# Allegro board buddy_lay_rev1.brd (continued)
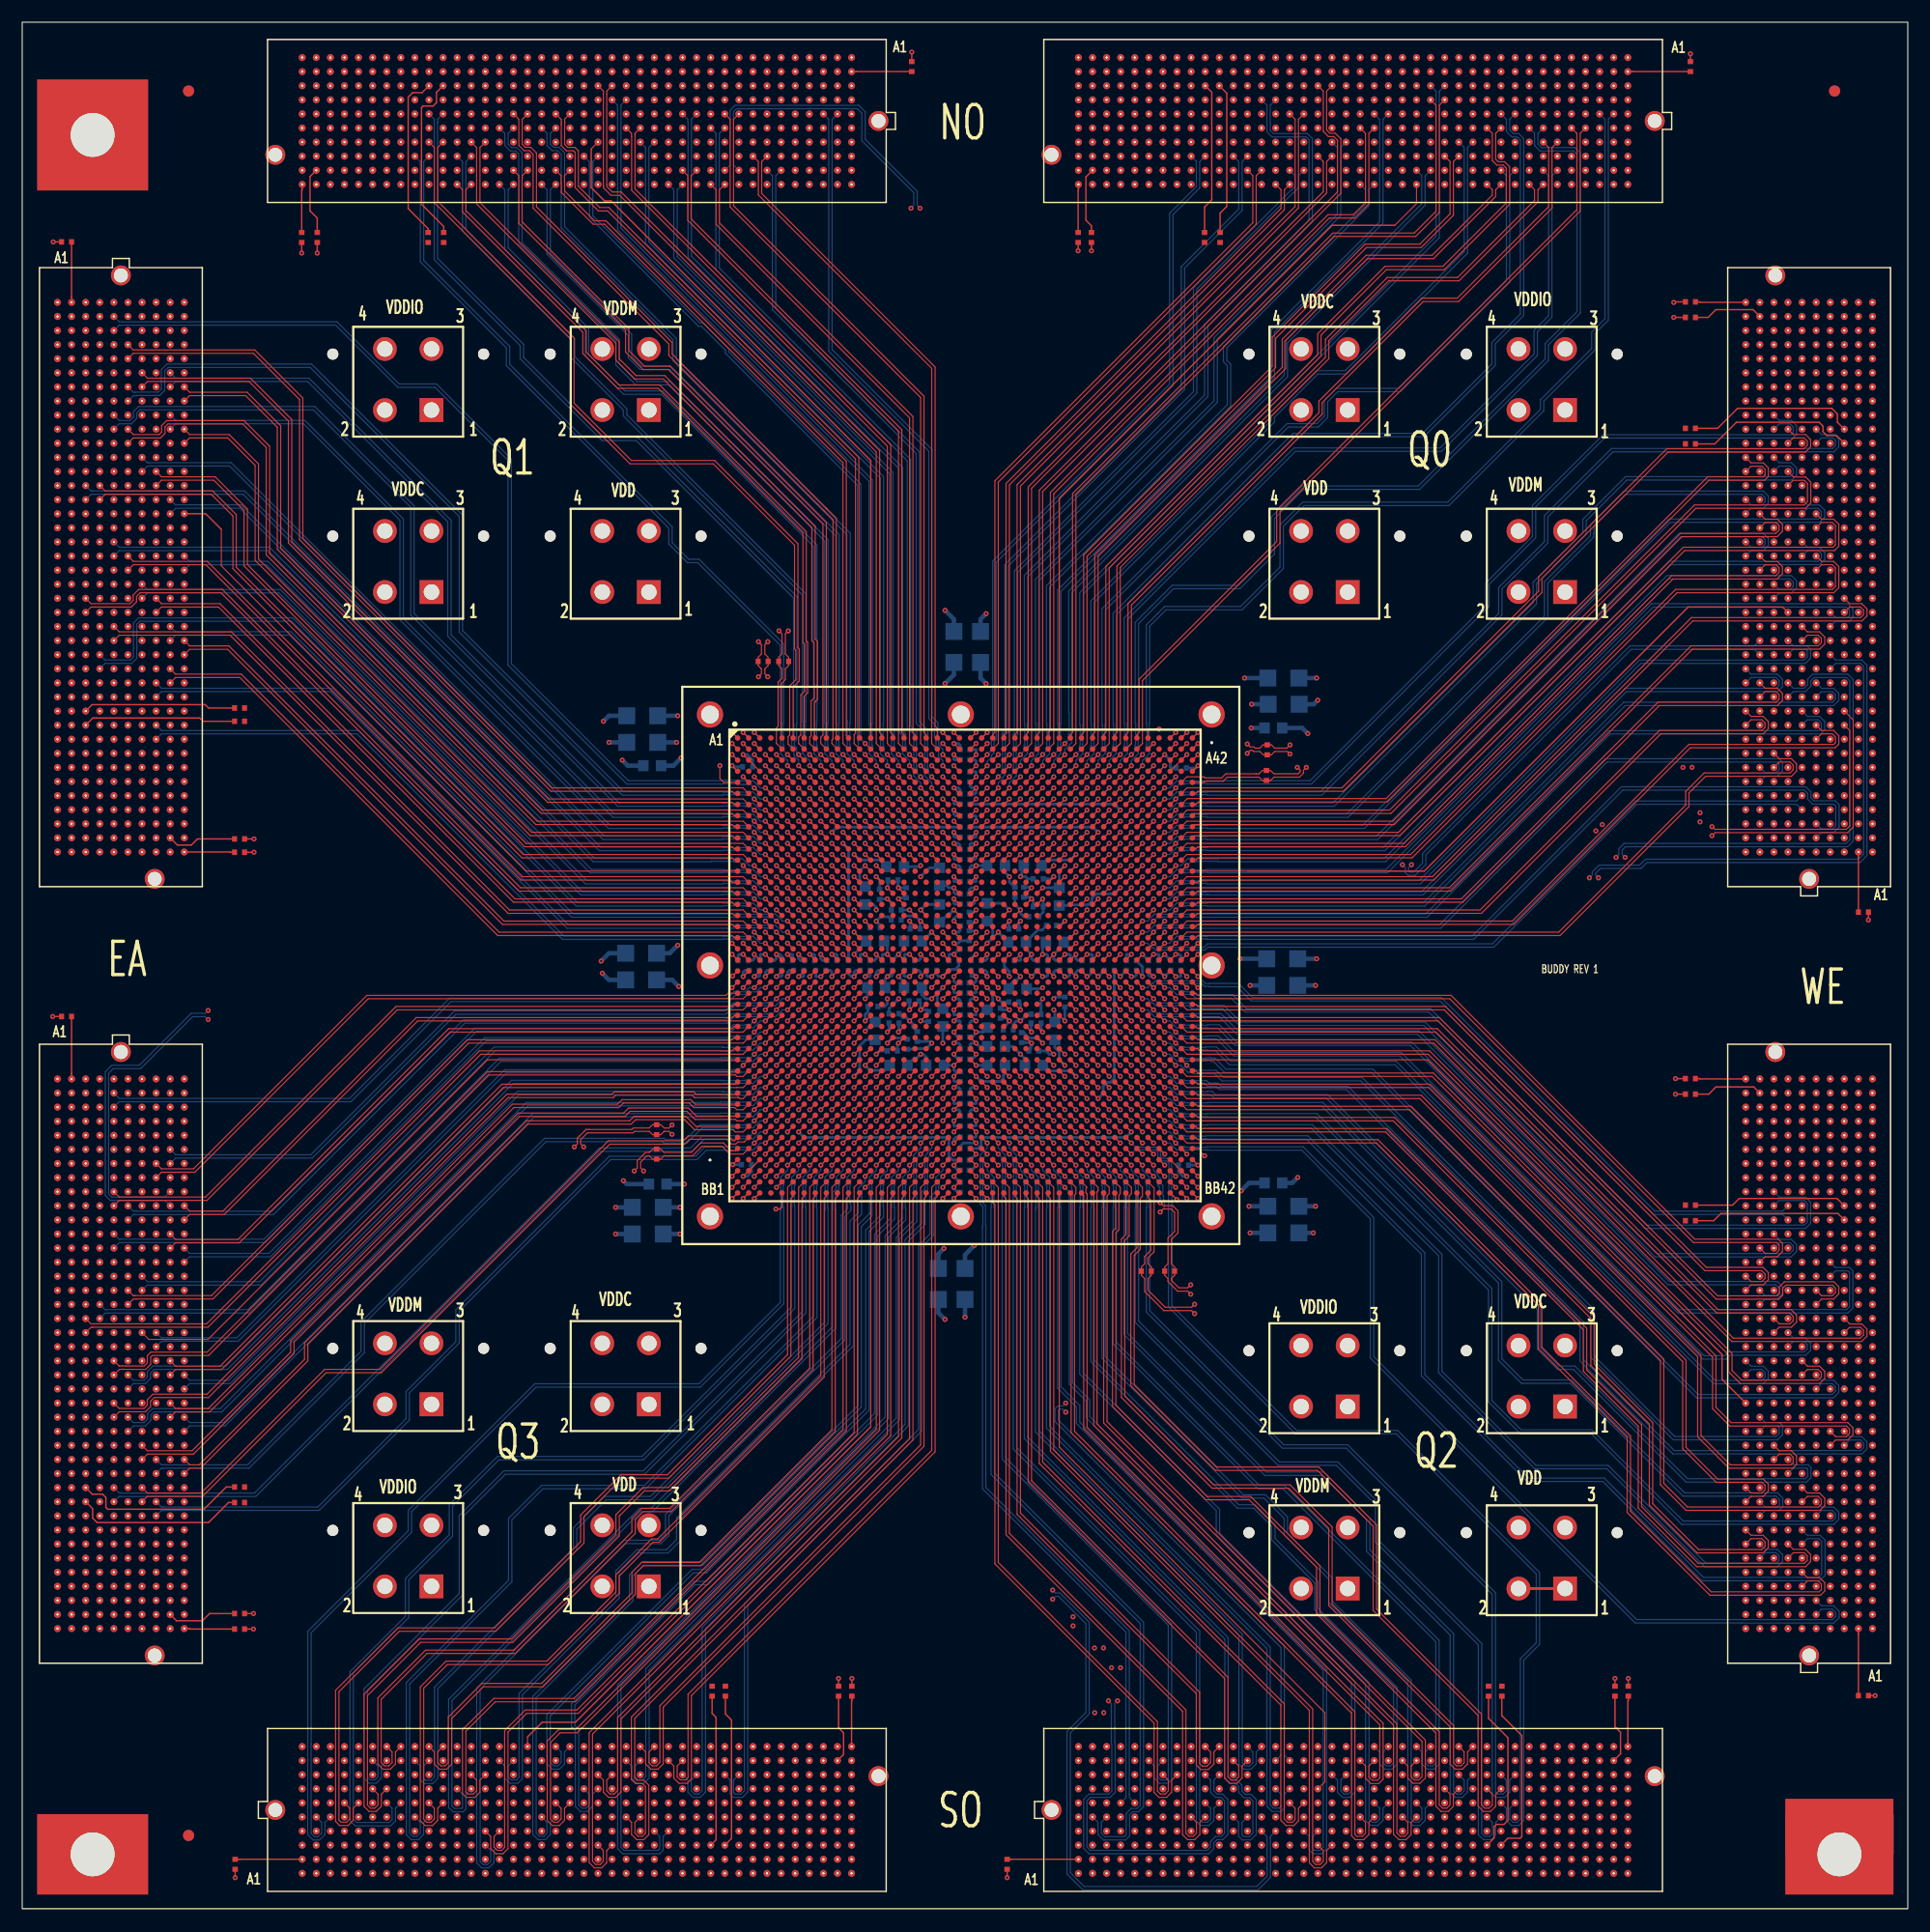
[diagram p0: board, top side]
## Routing (per net, layer and track width the routed paths; a pad name or vN(x,y) marks a point on that pad's centre or on a via; arc(x,y) is an arc through that point) (continued)
; 106.66,3.98 J5.B10 ; J5.B10 107.13,4.46 ; J5.B10 106.18,4.46 ; J5.B10 106.66,4.93 ; J8.K27 14.62,112.21 ; J8.K27 14.14,111.74 ; J8.K27 14.62,111.26 ; J8.K27 15.09,111.74 ; 29.85,3.19 30.32,3.19 ; 30.32,3.19 30.32,2.71 ; 30.32,3.19 30.32,3.66 ; 30.32,3.19 30.8,3.19 ; 59.06,164.28 J1.C13 ; J1.C13 60.01,164.28 ; J1.C13 59.53,164.75 ; J1.C13 59.53,163.8 ; J4.K39 155.86,73.5 ; J4.K39 155.38,73.98 ; J4.K39 155.38,73.03 ; J4.K39 154.91,73.5 ; 4.46,47.63 J7.B22 ; J7.B22 3.98,48.1 ; J7.B22 4.93,48.1 ; J7.B22 4.46,48.58 ; J5.D7 102.85,7.47 ; J5.D7 103.32,7 ; J5.D7 102.37,7 ; J5.D7 102.85,6.52 ; J3.A33 167.29,135.87 ; J3.A33 166.81,136.34 ; J3.A33 166.34,135.87 ; J3.A33 166.81,135.39 ; J6.G20 49.37,11.28 ; J6.G20 48.9,10.8 ; J6.G20 49.85,10.8 ; J6.G20 49.37,10.33 ; 123.96,166.81 J2.A17 ; J2.A17 124.44,166.34 ; J2.A17 124.91,166.81 ; J2.A17 124.44,167.29 ; J2.D39 96.5,163.48 ; J2.D39 96.97,163 ; J2.D39 96.5,162.53 ; J2.D39 96.02,163 ; 34.93,159.19 J1.G32 ; J1.G32 35.4,158.72 ; J1.G32 35.4,159.67 ; J1.G32 35.88,159.19 ; J6.B2 26.51,4.93 ; J6.B2 26.04,4.46 ; J6.B2 26.51,3.98 ; J6.B2 26.99,4.46 ; J2.C5 140.15,164.28 ; J2.C5 139.2,164.28 ; J2.C5 139.68,164.75 ; J2.C5 139.68,163.8 ; J3.J1 157.13,95.23 ; J3.J1 156.18,95.23 ; J3.J1 156.66,94.75 ; J3.J1 156.66,95.7 ; 110.47,6.52 J5.D13 ; J5.D13 110.94,7 ; J5.D13 110.47,7.47 ; J5.D13 109.99,7 ; 40.48,3.19 40.48,3.66 ; 40.48,3.19 40.48,2.71 ; 40.48,3.19 40.01,3.19 ; 40.48,3.19 40.96,3.19 ; J2.A8 136.34,166.81 ; J2.A8 135.87,167.29 ; J2.A8 135.87,166.34 ; J2.A8 135.39,166.81 ; J2.B10 133.8,165.54 ; J2.B10 133.33,166.02 ; J2.B10 133.33,165.07 ; J2.B10 132.85,165.54 ; 144.28,161.74 144.76,161.74 ; 144.76,161.74 144.76,161.26 ; 144.76,161.74 144.76,162.21 ; 144.76,161.74 145.23,161.74 ; 10.33,105.39 J8.G32 ; J8.G32 10.8,104.91 ; J8.G32 10.8,105.86 ; J8.G32 11.28,105.39 ; J8.E35 8.74,101.58 ; J8.E35 8.27,101.1 ; J8.E35 8.27,102.05 ; J8.E35 7.79,101.58 ; 12.87,43.02 J7.J26 ; J7.J26 13.35,43.5 ; J7.J26 13.82,43.02 ; J7.J26 13.35,42.55 ; J4.C9 164.75,35.4 ; J4.C9 164.28,35.88 ; J4.C9 163.8,35.4 ; J4.C9 164.28,34.93 ; J3.A37 166.81,141.42 ; J3.A37 167.29,140.95 ; J3.A37 166.81,140.47 ; J3.A37 166.34,140.95 ; 96.02,155.38 J2.K39 ; J2.K39 96.5,155.86 ; J2.K39 96.5,154.91 ; J2.K39 96.97,155.38 ; 142.22,3.98 142.22,4.46 ; 142.22,4.46 142.22,4.93 ; 142.22,4.46 141.74,4.46 ; 142.22,4.46 142.69,4.46 ; J3.C28 164.28,129.99 ; J3.C28 164.75,129.52 ; J3.C28 163.8,129.52 ; J3.C28 164.28,129.04 ; 101.58,9.06 J5.F6 ; J5.F6 102.05,9.54 ; J5.F6 101.58,10.01 ; J5.F6 101.1,9.54 ; J8.K21 15.09,119.36 ; J8.K21 14.62,119.83 ; J8.K21 14.14,119.36 ; J8.K21 14.62,118.88 ; J3.J40 156.66,145.23 ; J3.J40 156.66,144.28 ; J3.J40 157.13,144.76 ; J3.J40 156.18,144.76 ; J8.D3 7.47,142.22 ; J8.D3 7,142.69 ; J8.D3 6.52,142.22 ; J8.D3 7,141.74 ; 165.54,112.53 J3.B15 ; J3.B15 165.54,113.48 ; J3.B15 165.07,113.01 ; J3.B15 166.02,113.01 ; J4.F9 160.94,35.4 ; J4.F9 160.47,34.93 ; J4.F9 160.47,35.88 ; J4.F9 159.99,35.4 ; 5.25,95.23 J8.C40 ; J8.C40 5.72,94.75 ; J8.C40 5.72,95.7 ; J8.C40 6.2,95.23 ; 27.31,9.54 J6.F3 ; J6.F3 27.78,10.01 ; J6.F3 27.78,9.06 ; J6.F3 28.26,9.54 ; 156.66,134.12 J3.J32 ; J3.J32 156.66,135.07 ; J3.J32 157.13,134.6 ; J3.J32 156.18,134.6 ; J3.A4 167.29,99.04 ; J3.A4 166.81,98.56 ; J3.A4 166.81,99.51 ; J3.A4 166.34,99.04 ; 165.54,111.26 J3.B14 ; J3.B14 165.54,112.21 ; J3.B14 166.02,111.74 ; J3.B14 165.07,111.74 ; J4.F2 160.47,26.99 ; J4.F2 160.47,26.04 ; J4.F2 160.94,26.51 ; J4.F2 159.99,26.51 ; 34.93,12.07 J6.H9 ; J6.H9 35.4,12.55 ; J6.H9 35.88,12.07 ; J6.H9 35.4,11.6 ; 37.47,13.35 37.94,13.35 ; 37.94,13.35 38.42,13.35 ; 37.94,13.35 37.94,12.87 ; 37.94,13.35 37.94,13.82 ; 158.72,119.36 J3.G20 ; J3.G20 159.19,119.83 ; J3.G20 159.67,119.36 ; J3.G20 159.19,118.88 ; J2.B23 116.82,166.02 ; J2.B23 116.82,165.07 ; J2.B23 117.29,165.54 ; J2.B23 116.34,165.54 ; 154.91,105.39 J3.K9 ; J3.K9 155.86,105.39 ; J3.K9 155.38,104.91 ; J3.K9 155.38,105.86 ; J6.K12 39.21,15.09 ; J6.K12 38.74,14.62 ; J6.K12 39.69,14.62 ; J6.K12 39.21,14.14 ; 51.44,165.54 J1.B19 ; J1.B19 52.39,165.54 ; J1.B19 51.91,165.07 ; J1.B19 51.91,166.02 ; 96.02,160.47 J2.F39 ; J2.F39 96.97,160.47 ; J2.F39 96.5,159.99 ; J2.F39 96.5,160.94 ; J3.H36 157.93,140.15 ; J3.H36 157.45,139.68 ; J3.H36 158.4,139.68 ; J3.H36 157.93,139.2 ; 128.25,3.98 128.25,4.46 ; 128.25,4.46 127.77,4.46 ; 128.25,4.46 128.72,4.46 ; 128.25,4.46 128.25,4.93 ; J3.A29 167.29,130.79 ; J3.A29 166.34,130.79 ; J3.A29 166.81,131.26 ; J3.A29 166.81,130.31 ; 74.3,13.35 J6.J40 ; J6.J40 74.77,13.82 ; J6.J40 75.25,13.35 ; J6.J40 74.77,12.87 ; 131.58,4.46 132.06,4.46 ; 132.06,4.46 132.06,4.93 ; 132.06,4.46 132.53,4.46 ; 132.06,4.46 132.06,3.98 ; 34.93,156.66 J1.J32 ; J1.J32 35.88,156.66 ; J1.J32 35.4,156.18 ; J1.J32 35.4,157.13 ; 159.19,122.69 J3.G23 ; J3.G23 158.72,123.17 ; J3.G23 159.67,123.17 ; J3.G23 159.19,123.64 ; 3.19,129.52 3.19,129.99 ; 3.19,129.52 3.19,129.04 ; 3.19,129.52 2.71,129.52 ; 3.19,129.52 3.66,129.52 ; 164.28,141.74 J3.C38 ; J3.C38 164.28,142.69 ; J3.C38 163.8,142.22 ; J3.C38 164.75,142.22 ; J8.J14 13.82,128.25 ; J8.J14 13.35,128.72 ; J8.J14 13.35,127.77 ; J8.J14 12.87,128.25 ; 49.37,3.19 49.85,3.19 ; 49.37,3.19 49.37,3.66 ; 49.37,3.19 49.37,2.71 ; 49.37,3.19 48.9,3.19 ; J2.B11 132.53,165.54 ; J2.B11 132.06,166.02 ; J2.B11 132.06,165.07 ; J2.B11 131.58,165.54 ; J8.C33 6.2,104.12 ; J8.C33 5.25,104.12 ; J8.C33 5.72,103.64 ; J8.C33 5.72,104.59 ; J1.J29 39.21,157.13 ; J1.J29 38.74,156.66 ; J1.J29 39.69,156.66 ; J1.J29 39.21,156.18 ; 3.19,64.61 3.19,65.09 ; 3.19,64.61 2.71,64.61 ; 3.19,64.61 3.66,64.61 ; 3.19,64.61 3.19,64.14 ; J1.B14 58.74,165.54 ; J1.B14 57.79,165.54 ; J1.B14 58.26,166.02 ; J1.B14 58.26,165.07 ; J4.H30 157.93,62.55 ; J4.H30 157.93,61.6 ; J4.H30 158.4,62.07 ; J4.H30 157.45,62.07 ; 50.64,5.25 50.64,5.72 ; 50.64,5.72 50.64,6.2 ; 50.64,5.72 50.17,5.72 ; 50.64,5.72 51.12,5.72 ; J3.C9 164.75,105.39 ; J3.C9 164.28,105.86 ; J3.C9 163.8,105.39 ; J3.C9 164.28,104.91 ; 58.26,4.46 58.74,4.46 ; 58.26,4.46 58.26,4.93 ; 58.26,4.46 57.79,4.46 ; 58.26,4.46 58.26,3.98 ; J8.K15 15.09,126.98 ; J8.K15 14.62,126.5 ; J8.K15 14.14,126.98 ; J8.K15 14.62,127.45 ; 135.39,156.66 J2.J8 ; J2.J8 135.87,156.18 ; J2.J8 136.34,156.66 ; J2.J8 135.87,157.13 ; J1.B18 53.18,166.02 ; J1.B18 53.18,165.07 ; J1.B18 53.66,165.54 ; J1.B18 52.71,165.54 ; 122.69,4.46 J5.B23 ; J5.B23 123.64,4.46 ; J5.B23 123.17,4.93 ; J5.B23 123.17,3.98 ; 8.27,69.22 8.27,69.69 ; 8.27,69.69 8.27,70.17 ; 8.27,69.69 8.74,69.69 ; 8.27,69.69 7.79,69.69 ; J4.J8 156.66,34.61 ; J4.J8 156.66,33.66 ; J4.J8 156.18,34.13 ; J4.J8 157.13,34.13 ; J2.D6 138.88,163 ; J2.D6 138.41,163.48 ; J2.D6 137.93,163 ; J2.D6 138.41,162.53 ; 166.81,34.93 J4.A9 ; J4.A9 166.34,35.4 ; J4.A9 166.81,35.88 ; J4.A9 167.29,35.4 ; J5.C33 135.87,6.2 ; J5.C33 136.34,5.72 ; J5.C33 135.39,5.72 ; J5.C33 135.87,5.25 ; J3.B3 166.02,97.77 ; J3.B3 165.54,98.24 ; J3.B3 165.07,97.77 ; J3.B3 165.54,97.29 ; J4.H36 158.4,69.69 ; J4.H36 157.93,69.22 ; J4.H36 157.93,70.17 ; J4.H36 157.45,69.69 ; J2.J11 132.06,157.13 ; J2.J11 132.53,156.66 ; J2.J11 132.06,156.18 ; J2.J11 131.58,156.66 ; 14.62,100.31 15.09,100.31 ; 14.62,100.31 14.62,99.83 ; 14.62,100.31 14.14,100.31 ; 14.62,100.31 14.62,100.78 ; J1.B2 73.5,166.02 ; J1.B2 73.5,165.07 ; J1.B2 73.98,165.54 ; J1.B2 73.03,165.54 ; J4.K6 155.38,32.07 ; J4.K6 154.91,31.59 ; J4.K6 155.86,31.59 ; J4.K6 155.38,31.12 ; 161.26,104.12 161.74,104.12 ; 161.74,104.12 161.74,104.59 ; 161.74,104.12 162.21,104.12 ; 161.74,104.12 161.74,103.64 ; 124.44,161.74 124.44,162.21 ; 124.44,161.74 123.96,161.74 ; 124.44,161.74 124.91,161.74 ; 124.44,161.74 124.44,161.26 ; 46.36,4.46 J6.B18 ; J6.B18 47.31,4.46 ; J6.B18 46.83,4.93 ; J6.B18 46.83,3.98 ; J4.A13 167.29,40.48 ; J4.A13 166.34,40.48 ; J4.A13 166.81,40.01 ; J4.A13 166.81,40.96 ; 5.25,59.53 5.72,59.53 ; 5.72,59.53 6.2,59.53 ; 5.72,59.53 5.72,59.06 ; 5.72,59.53 5.72,60.01 ; J5.K18 117.29,14.62 ; J5.K18 116.34,14.62 ; J5.K18 116.82,14.14 ; J5.K18 116.82,15.09 ; 161.74,37.94 161.74,38.42 ; 161.74,37.94 161.74,37.47 ; 161.74,37.94 161.26,37.94 ; 161.74,37.94 162.21,37.94 ; J8.E23 8.27,117.29 ; J8.E23 8.27,116.34 ; J8.E23 7.79,116.82 ; J8.E23 8.74,116.82 ; 165.07,43.02 J4.B15 ; J4.B15 166.02,43.02 ; J4.B15 165.54,42.55 ; J4.B15 165.54,43.5 ; 55.25,3.19 55.72,3.19 ; 55.72,3.19 55.72,2.71 ; 55.72,3.19 56.2,3.19 ; 55.72,3.19 55.72,3.66 ; 8.27,38.74 J7.E29 ; J7.E29 8.27,39.69 ; J7.E29 7.79,39.21 ; J7.E29 8.74,39.21 ; J8.J32 13.82,105.39 ; J8.J32 12.87,105.39 ; J8.J32 13.35,105.86 ; J8.J32 13.35,104.91 ; 161.74,111.74 161.74,112.21 ; 161.74,111.74 161.74,111.26 ; 161.74,111.74 162.21,111.74 ; 161.74,111.74 161.26,111.74 ; 25.24,10.33 25.24,10.8 ; 25.24,10.8 25.24,11.28 ; 25.24,10.8 25.72,10.8 ; 25.24,10.8 24.77,10.8 ; 95.23,13.35 95.23,13.82 ; 95.23,13.35 94.75,13.35 ; 95.23,13.35 95.7,13.35 ; 95.23,13.35 95.23,12.87 ; 13.35,140.95 13.35,141.42 ; 13.35,140.95 13.35,140.47 ; 13.35,140.95 13.82,140.95 ; 13.35,140.95 12.87,140.95 ; 31.12,165.54 J1.B35 ; J1.B35 32.07,165.54 ; J1.B35 31.59,165.07 ; J1.B35 31.59,166.02 ; 27.31,161.74 27.78,161.74 ; 27.78,161.74 28.26,161.74 ; 27.78,161.74 27.78,162.21 ; 27.78,161.74 27.78,161.26 ; J4.C21 164.28,51.12 ; J4.C21 163.8,50.64 ; J4.C21 164.28,50.17 ; J4.C21 164.75,50.64 ; J1.A29 39.69,166.81 ; J1.A29 39.21,167.29 ; J1.A29 38.74,166.81 ; J1.A29 39.21,166.34 ; J2.J5 140.15,156.66 ; J2.J5 139.68,157.13 ; J2.J5 139.2,156.66 ; J2.J5 139.68,156.18 ; J4.A8 167.29,34.13 ; J4.A8 166.34,34.13 ; J4.A8 166.81,33.66 ; J4.A8 166.81,34.61 ; 144.76,10.33 J5.G40 ; J5.G40 144.28,10.8 ; J5.G40 145.23,10.8 ; J5.G40 144.76,11.28 ; 9.06,41.75 J7.F27 ; J7.F27 9.54,42.23 ; J7.F27 9.54,41.28 ; J7.F27 10.01,41.75 ; 125.71,163.8 J2.C16 ; J2.C16 125.23,164.28 ; J2.C16 125.71,164.75 ; J2.C16 126.18,164.28 ; J2.H30 107.93,158.4 ; J2.H30 107.93,157.45 ; J2.H30 108.4,157.93 ; J2.H30 107.45,157.93 ; 97.29,4.46 J5.B3 ; J5.B3 97.77,3.98 ; J5.B3 97.77,4.93 ; J5.B3 98.24,4.46 ; J1.C21 49.85,164.28 ; J1.C21 49.37,163.8 ; J1.C21 48.9,164.28 ; J1.C21 49.37,164.75 ; 156.66,60.33 J4.J29 ; J4.J29 156.18,60.8 ; J4.J29 156.66,61.28 ; J4.J29 157.13,60.8 ; 107.93,13.35 108.4,13.35 ; 107.93,13.35 107.93,13.82 ; 107.93,13.35 107.45,13.35 ; 107.93,13.35 107.93,12.87 ; 13.35,57.79 J7.J14 ; J7.J14 13.82,58.26 ; J7.J14 12.87,58.26 ; J7.J14 13.35,58.74 ; J5.B15 113.48,4.46 ; J5.B15 113.01,3.98 ; J5.B15 113.01,4.93 ; J5.B15 112.53,4.46 ; J2.F36 100.31,160.94 ; J2.F36 100.78,160.47 ; J2.F36 100.31,159.99 ; J2.F36 99.83,160.47 ; J3.H21 158.4,120.63 ; J3.H21 157.45,120.63 ; J3.H21 157.93,121.1 ; J3.H21 157.93,120.15 ; J2.A29 109.2,167.29 ; J2.A29 109.67,166.81 ; J2.A29 108.72,166.81 ; J2.A29 109.2,166.34 ; J1.H30 37.94,158.4 ; J1.H30 38.42,157.93 ; J1.H30 37.47,157.93 ; J1.H30 37.94,157.45 ; 157.93,65.41 J4.H33 ; J4.H33 157.93,66.36 ; J4.H33 158.4,65.88 ; J4.H33 157.45,65.88 ; 3.19,39.21 3.66,39.21 ; 3.19,39.21 2.71,39.21 ; 3.19,39.21 3.19,39.69 ; 3.19,39.21 3.19,38.74 ; 34.13,3.19 34.61,3.19 ; 34.13,3.19 34.13,3.66 ; 34.13,3.19 33.66,3.19 ; 34.13,3.19 34.13,2.71 ; 41.28,13.35 41.75,13.35 ; 41.75,13.35 41.75,13.82 ; 41.75,13.35 42.23,13.35 ; 41.75,13.35 41.75,12.87 ; 101.1,165.54 J2.B35 ; J2.B35 102.05,165.54 ; J2.B35 101.58,166.02 ; J2.B35 101.58,165.07 ; J3.A20 166.81,119.83 ; J3.A20 167.29,119.36 ; J3.A20 166.81,118.88 ; J3.A20 166.34,119.36 ; 140.95,161.74 140.95,162.21 ; 140.95,161.74 140.47,161.74 ; 140.95,161.74 140.95,161.26 ; 140.95,161.74 141.42,161.74 ; 7,59.06 J7.D13 ; J7.D13 7,60.01 ; J7.D13 6.52,59.53 ; J7.D13 7.47,59.53 ; 94.75,164.28 J2.C40 ; J2.C40 95.23,164.75 ; J2.C40 95.7,164.28 ; J2.C40 95.23,163.8 ; 5.25,27.78 J7.C38 ; J7.C38 6.2,27.78 ; J7.C38 5.72,28.26 ; J7.C38 5.72,27.31 ; J2.J40 95.23,157.13 ; J2.J40 95.7,156.66 ; J2.J40 94.75,156.66 ; J2.J40 95.23,156.18 ; 124.44,5.72 124.91,5.72 ; 124.44,5.72 124.44,6.2 ; 124.44,5.72 123.96,5.72 ; 124.44,5.72 124.44,5.25 ; 10.8,69.22 10.8,69.69 ; 10.8,69.69 11.28,69.69 ; 10.8,69.69 10.8,70.17 ; 10.8,69.69 10.33,69.69 ; J4.K36 155.86,69.69 ; J4.K36 155.38,70.17 ; J4.K36 155.38,69.22 ; J4.K36 154.91,69.69 ; J4.F24 160.94,54.45 ; J4.F24 160.47,54.93 ; J4.F24 159.99,54.45 ; J4.F24 160.47,53.98 ; J3.F6 160.47,102.05 ; J3.F6 160.94,101.58 ; J3.F6 160.47,101.1 ; J3.F6 159.99,101.58 ; J3.C17 164.75,115.55 ; J3.C17 163.8,115.55 ; J3.C17 164.28,115.07 ; J3.C17 164.28,116.02 ; 50.64,3.19 50.64,3.66 ; 50.64,3.19 51.12,3.19 ; 50.64,3.19 50.17,3.19 ; 50.64,3.19 50.64,2.71 ; 9.06,104.12 9.54,104.12 ; 9.54,104.12 9.54,103.64 ; 9.54,104.12 9.54,104.59 ; 9.54,104.12 10.01,104.12 ; J3.F33 160.47,136.34 ; J3.F33 159.99,135.87 ; J3.F33 160.47,135.39 ; J3.F33 160.94,135.87 ; 61.6,4.46 62.07,4.46 ; 62.07,4.46 62.55,4.46 ; 62.07,4.46 62.07,3.98 ; 62.07,4.46 62.07,4.93 ; 101.58,3.98 J5.B6 ; J5.B6 101.1,4.46 ; J5.B6 102.05,4.46 ; J5.B6 101.58,4.93 ; J7.E20 8.27,51.12 ; J7.E20 8.27,50.17 ; J7.E20 8.74,50.64 ; J7.E20 7.79,50.64 ; J2.K33 104.59,155.38 ; J2.K33 104.12,154.91 ; J2.K33 104.12,155.86 ; J2.K33 103.64,155.38 ; 43.02,11.6 J6.H15 ; J6.H15 43.02,12.55 ; J6.H15 42.55,12.07 ; J6.H15 43.5,12.07 ; 165.07,142.22 J3.B38 ; J3.B38 165.54,141.74 ; J3.B38 165.54,142.69 ; J3.B38 166.02,142.22 ; J6.H27 58.74,12.07 ; J6.H27 58.26,11.6 ; J6.H27 57.79,12.07 ; J6.H27 58.26,12.55 ; 166.34,49.37 J4.A20 ; J4.A20 166.81,49.85 ; J4.A20 167.29,49.37 ; J4.A20 166.81,48.9 ; 5.72,144.76 6.2,144.76 ; 5.72,144.76 5.25,144.76 ; 5.72,144.76 5.72,145.23 ; 5.72,144.76 5.72,144.28 ; 50.64,11.6 J6.H21 ; J6.H21 50.17,12.07 ; J6.H21 50.64,12.55 ; J6.H21 51.12,12.07 ; J7.F21 10.01,49.37 ; J7.F21 9.54,48.9 ; J7.F21 9.06,49.37 ; J7.F21 9.54,49.85 ; 161.74,99.04 162.21,99.04 ; 161.74,99.04 161.26,99.04 ; 161.74,99.04 161.74,98.56 ; 161.74,99.04 161.74,99.51 ; 5.72,33.66 J7.C33 ; J7.C33 5.25,34.13 ; J7.C33 6.2,34.13 ; J7.C33 5.72,34.61 ; 12.87,31.59 J7.J35 ; J7.J35 13.82,31.59 ; J7.J35 13.35,32.07 ; J7.J35 13.35,31.12 ; J4.H2 157.93,26.99 ; J4.H2 157.45,26.51 ; J4.H2 157.93,26.04 ; J4.H2 158.4,26.51 ; 12.87,113.01 J8.J26 ; J8.J26 13.35,112.53 ; J8.J26 13.82,113.01 ; J8.J26 13.35,113.48 ; 165.07,102.85 J3.B7 ; J3.B7 166.02,102.85 ; J3.B7 165.54,103.32 ; J3.B7 165.54,102.37 ; 138.41,7.79 J5.E35 ; J5.E35 138.41,8.74 ; J5.E35 137.93,8.27 ; J5.E35 138.88,8.27 ; 11.6,41.75 J7.H27 ; J7.H27 12.55,41.75 ; J7.H27 12.07,41.28 ; J7.H27 12.07,42.23 ; 116.82,161.74 116.82,162.21 ; 116.82,161.74 117.29,161.74 ; 116.82,161.74 116.82,161.26 ; 116.82,161.74 116.34,161.74 ; J7.K21 14.62,49.85 ; J7.K21 15.09,49.37 ; J7.K21 14.14,49.37 ; J7.K21 14.62,48.9 ; 5.72,115.55 6.2,115.55 ; 5.72,115.55 5.72,116.02 ; 5.72,115.55 5.25,115.55 ; 5.72,115.55 5.72,115.07 ; J1.K3 72.71,155.38 ; J1.K3 71.76,155.38 ; J1.K3 72.23,154.91 ; J1.K3 72.23,155.86 ; 165.07,118.09 J3.B19 ; J3.B19 165.54,117.61 ; J3.B19 165.54,118.56 ; J3.B19 166.02,118.09 ; 26.04,160.47 J1.F39 ; J1.F39 26.51,159.99 ; J1.F39 26.99,160.47 ; J1.F39 26.51,160.94 ; 51.06,135.05 J10.2 ; J10.2 52.3,133.81 ; J10.2 53.54,135.05 ; J10.2 52.3,136.29 ; J4.C13 164.75,40.48 ; J4.C13 164.28,40.01 ; J4.C13 163.8,40.48 ; J4.C13 164.28,40.96 ; 5.72,119.36 6.2,119.36 ; 5.72,119.36 5.72,118.88 ; 5.72,119.36 5.25,119.36 ; 5.72,119.36 5.72,119.83 ; 140.95,6.52 140.95,7 ; 140.95,7 140.47,7 ; 140.95,7 141.42,7 ; 140.95,7 140.95,7.47 ; 14.14,26.51 14.62,26.51 ; 14.62,26.51 15.09,26.51 ; 14.62,26.51 14.62,26.04 ; 14.62,26.51 14.62,26.99 ; J2.C20 121.1,164.28 ; J2.C20 120.63,164.75 ; J2.C20 120.63,163.8 ; J2.C20 120.15,164.28 ; 14.62,33.66 14.62,34.13 ; 14.62,34.13 14.62,34.61 ; 14.62,34.13 14.14,34.13 ; 14.62,34.13 15.09,34.13 ; 14.62,103.64 14.62,104.12 ; 14.62,104.12 14.62,104.59 ; 14.62,104.12 14.14,104.12 ; 14.62,104.12 15.09,104.12 ; J8.J11 13.82,132.06 ; J8.J11 13.35,131.58 ; J8.J11 12.87,132.06 ; J8.J11 13.35,132.53 ; 165.07,101.58 J3.B6 ; J3.B6 166.02,101.58 ; J3.B6 165.54,101.1 ; J3.B6 165.54,102.05 ; J8.D6 7.47,138.41 ; J8.D6 7,137.93 ; J8.D6 7,138.88 ; J8.D6 6.52,138.41 ; J8.H24 12.07,116.02 ; J8.H24 12.07,115.07 ; J8.H24 11.6,115.55 ; J8.H24 12.55,115.55 ; 43.82,166.81 J1.A25 ; J1.A25 44.29,167.29 ; J1.A25 44.29,166.34 ; J1.A25 44.77,166.81 ; 5.72,24.77 J7.C40 ; J7.C40 6.2,25.24 ; J7.C40 5.72,25.72 ; J7.C40 5.25,25.24 ; J3.H2 158.4,96.5 ; J3.H2 157.45,96.5 ; J3.H2 157.93,96.97 ; J3.H2 157.93,96.02 ; J1.F6 68.42,160.94 ; J1.F6 67.95,160.47 ; J1.F6 68.42,159.99 ; J1.F6 68.9,160.47 ; J4.C28 164.75,59.53 ; J4.C28 164.28,59.06 ; J4.C28 163.8,59.53 ; J4.C28 164.28,60.01 ; 65.41,3.19 J6.A33 ; J6.A33 66.36,3.19 ; J6.A33 65.88,3.66 ; J6.A33 65.88,2.71 ; J3.C12 164.28,109.67 ; J3.C12 164.28,108.72 ; J3.C12 163.8,109.2 ; J3.C12 164.75,109.2 ; J4.K2 155.86,26.51 ; J4.K2 154.91,26.51 ; J4.K2 155.38,26.99 ; J4.K2 155.38,26.04 ; J3.D39 163,143.96 ; J3.D39 163,143.01 ; J3.D39 162.53,143.49 ; J3.D39 163.48,143.49 ; 155.38,34.93 J4.K9 ; J4.K9 154.91,35.4 ; J4.K9 155.86,35.4 ; J4.K9 155.38,35.88 ; J4.F33 160.94,65.88 ; J4.F33 160.47,65.41 ; J4.F33 159.99,65.88 ; J4.F33 160.47,66.36 ; 9.54,107.45 J8.F30 ; J8.F30 9.54,108.4 ; J8.F30 9.06,107.93 ; J8.F30 10.01,107.93 ; J6.G32 65.09,10.8 ; J6.G32 64.61,10.33 ; J6.G32 64.61,11.28 ; J6.G32 64.14,10.8 ; 118.88,157.93 J2.H21 ; J2.H21 119.83,157.93 ; J2.H21 119.36,157.45 ; J2.H21 119.36,158.4 ; J2.B6 138.88,165.54 ; J2.B6 137.93,165.54 ; J2.B6 138.41,165.07 ; J2.B6 138.41,166.02 ; 137.14,3.98 137.14,4.46 ; 137.14,4.46 137.61,4.46 ; 137.14,4.46 137.14,4.93 ; 137.14,4.46 136.66,4.46 ; 95.23,8.27 95.23,8.74 ; 95.23,8.27 95.7,8.27 ; 95.23,8.27 94.75,8.27 ; 95.23,8.27 95.23,7.79 ; 163.8,110.47 J3.C13 ; J3.C13 164.28,110.94 ; J3.C13 164.75,110.47 ; J3.C13 164.28,109.99 ; 4.46,121.42 J8.B19 ; J8.B19 3.98,121.9 ; J8.B19 4.46,122.37 ; J8.B19 4.93,121.9 ; J5.H33 136.34,12.07 ; J5.H33 135.39,12.07 ; J5.H33 135.87,11.6 ; J5.H33 135.87,12.55 ; 45.09,5.72 45.56,5.72 ; 45.56,5.72 45.56,5.25 ; 45.56,5.72 45.56,6.2 ; 45.56,5.72 46.04,5.72 ; J7.C36 6.2,30.32 ; J7.C36 5.25,30.32 ; J7.C36 5.72,30.8 ; J7.C36 5.72,29.85 ; 74.3,166.81 J1.A1 ; J1.A1 74.77,166.34 ; J1.A1 75.25,166.81 ; J1.A1 74.77,167.29 ; J5.F15 113.01,10.01 ; J5.F15 113.01,9.06 ; J5.F15 112.53,9.54 ; J5.F15 113.48,9.54 ; J5.B14 111.74,4.93 ; J5.B14 112.21,4.46 ; J5.B14 111.26,4.46 ; J5.B14 111.74,3.98 ; J5.D10 106.66,7.47 ; J5.D10 107.13,7 ; J5.D10 106.18,7 ; J5.D10 106.66,6.52 ; 7,99.04 7,99.51 ; 7,99.04 7,98.56 ; 7,99.04 7.47,99.04 ; 7,99.04 6.52,99.04 ; 131.58,12.07 J5.H30 ; J5.H30 132.06,12.55 ; J5.H30 132.53,12.07 ; J5.H30 132.06,11.6 ; 111.74,10.8 112.21,10.8 ; 111.74,10.8 111.74,10.33 ; 111.74,10.8 111.74,11.28 ; 111.74,10.8 111.26,10.8 ; J24.1 139.1,30.09 ; J24.1 140.34,28.85 ; J24.1 139.1,27.61 ; J24.1 137.86,28.85 ; J2.B22 118.09,166.02 ; J2.B22 118.56,165.54 ; J2.B22 117.61,165.54 ; J2.B22 118.09,165.07 ; 2.71,44.29 3.19,44.29 ; 3.19,44.29 3.19,43.82 ; 3.19,44.29 3.66,44.29 ; 3.19,44.29 3.19,44.77 ; 52.3,27.81 J20.2 ; J20.2 52.3,30.29 ; J20.2 51.06,29.05 ; J20.2 53.54,29.05 ; 29.85,8.27 30.32,8.27 ; 30.32,8.27 30.8,8.27 ; 30.32,8.27 30.32,8.74 ; 30.32,8.27 30.32,7.79 ; 160.47,143.01 J3.F39 ; J3.F39 160.94,143.49 ; J3.F39 159.99,143.49 ; J3.F39 160.47,143.96 ; 65.41,5.72 J6.C33 ; J6.C33 66.36,5.72 ; J6.C33 65.88,5.25 ; J6.C33 65.88,6.2 ; 8.27,24.77 J7.E40 ; J7.E40 8.74,25.24 ; J7.E40 8.27,25.72 ; J7.E40 7.79,25.24 ; 165.54,31.12 J4.B6 ; J4.B6 165.54,32.07 ; J4.B6 166.02,31.59 ; J4.B6 165.07,31.59 ; J5.H2 96.5,12.55 ; J5.H2 96.02,12.07 ; J5.H2 96.97,12.07 ; J5.H2 96.5,11.6 ; 5.72,123.96 5.72,124.44 ; 5.72,124.44 5.72,124.91 ; 5.72,124.44 5.25,124.44 ; 5.72,124.44 6.2,124.44 ; 7,117.61 J8.D22 ; J8.D22 7.47,118.09 ; J8.D22 7,118.56 ; J8.D22 6.52,118.09 ; 165.54,143.01 J3.B39 ; J3.B39 165.07,143.49 ; J3.B39 165.54,143.96 ; J3.B39 166.02,143.49 ; 166.81,24.77 J4.A1 ; J4.A1 167.29,25.24 ; J4.A1 166.34,25.24 ; J4.A1 166.81,25.72 ; 163.8,39.21 J4.C12 ; J4.C12 164.28,39.69 ; J4.C12 164.75,39.21 ; J4.C12 164.28,38.74 ; J4.A21 166.81,51.12 ; J4.A21 166.81,50.17 ; J4.A21 167.29,50.64 ; J4.A21 166.34,50.64 ; 73.5,14.62 73.98,14.62 ; 73.5,14.62 73.5,14.14 ; 73.5,14.62 73.03,14.62 ; 73.5,14.62 73.5,15.09 ; 120.63,161.74 121.1,161.74 ; 120.63,161.74 120.15,161.74 ; 120.63,161.74 120.63,162.21 ; 120.63,161.74 120.63,161.26 ; 54.45,5.72 54.45,6.2 